# EAGLE board Mk4 Final a Panel score 2x5 (EAGLE 9.0.1), part 22 of 29
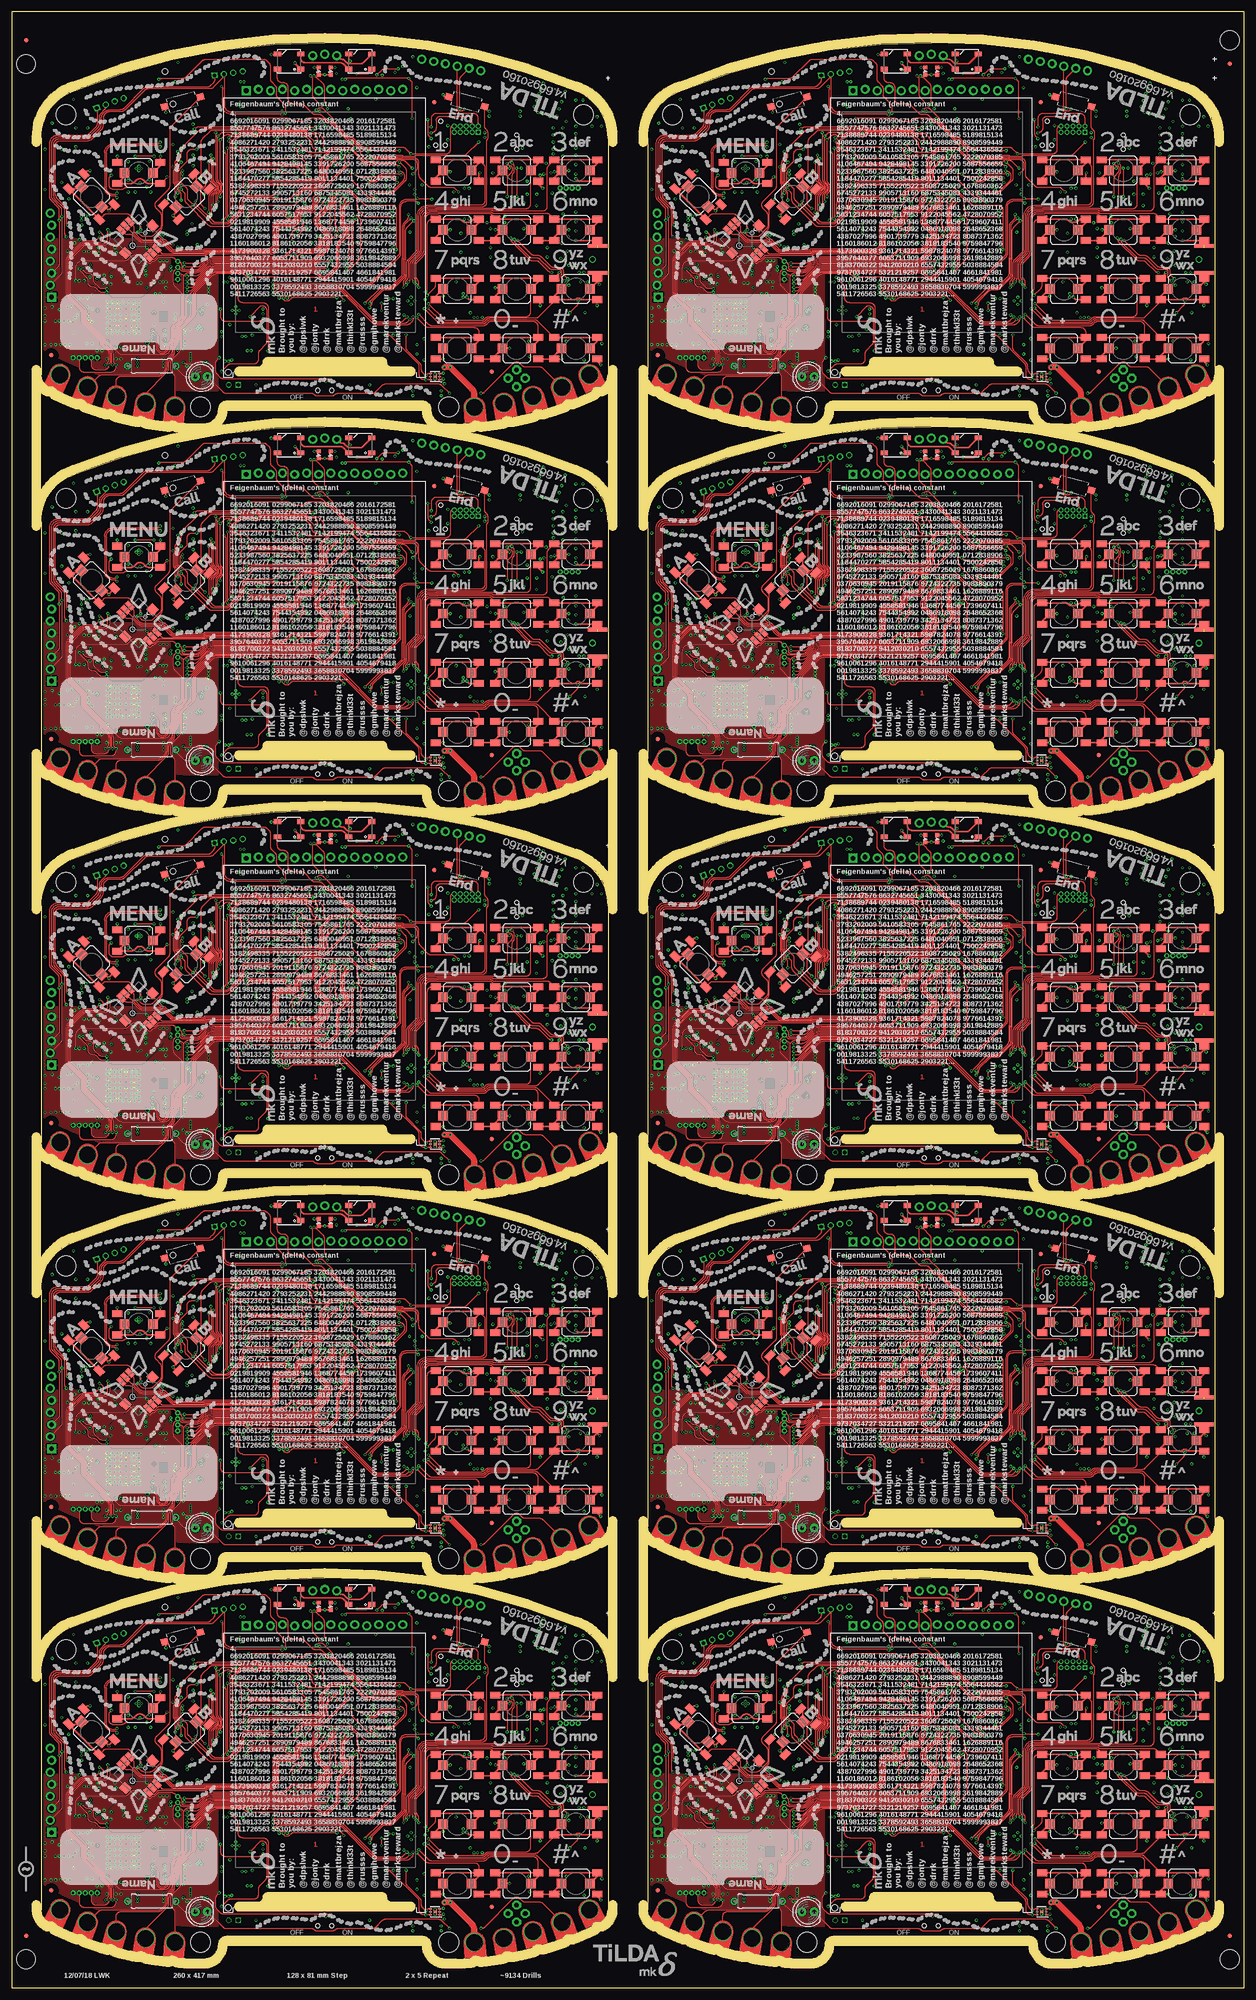
[diagram p0: board, top side]
## Tracks (layer width: path | path; a pad name or v marks a point on that pad's centre or on a via) (continued)
SDRAM_BA19  (via drill 0.3) (continued)
  Top 0.15: v172,378 172,378.38 arc-45 172.15,378.74 172.29,378.88 arc90 172.29,380.87 arc-45 172,381.57 v172,390 172.73,390.73 arc-45 173.44,391.02 173.76,391.02 arc-45 174.11,390.88 174.17,390.82 arc45 174.53,390.68 175.38,390.68 arc45 175.74,390.82 175.92,391.01 arc-45 176.63,391.3 178.96,391.3 179.15,391.11 arc90 179.85,391.11 180.02,391.27 189.69,391.27 arc-45 190.05,391.13 190.25,390.93 arc45 190.45,390.85 arc-45 190.8,390.7 v192,389.5
  Bottom 0.15: IC163.50 171.9,389.9 v172,390 | IC163.20 175.91,377.9 arc-45 175.81,377.94 arc45 175.67,378 v172,378 | v192,389.5 arc45 192.2,389.98 IC164.76
SDRAM_CKE  (via drill 0.3)
  Top 0.15: v35.75,55.5 36.21,55.04 arc-45 36.5,54.34 36.5,53.41 arc45 36.79,52.71 41.48,48.02 arc45 42.19,47.73 45.29,47.73 arc45 45.99,48.02 48.68,50.71 arc45 48.98,51.41 48.98,52.5 arc-90 49.98,53.5 58.29,53.5 arc45 59,53.79 60.87,55.66 arc-45 61.93,56.1 64.25,56.1 arc90 66.5,58.35 66.5,59.49 arc-45 66.79,60.19 68.31,61.71 arc-45 69.01,62 v69.5,62
  Bottom 0.15: IC1.104 72.73,62.4 arc45 72.59,62.34 72.53,62.28 arc-45 72.39,62.23 69.75,62.23 69.53,62 v69.5,62 | v35.75,55.5 IC2.37
SDRAM_CKE1  (via drill 0.3)
  Top 0.15: v163.75,55.5 164.21,55.04 arc-45 164.5,54.34 164.5,53.41 arc45 164.79,52.71 169.48,48.02 arc45 170.19,47.73 173.29,47.73 arc45 173.99,48.02 176.68,50.71 arc45 176.97,51.41 176.97,52.5 arc-90 177.97,53.5 186.29,53.5 arc45 187,53.79 188.87,55.66 arc-45 189.93,56.1 192.25,56.1 arc90 194.5,58.35 194.5,59.49 arc-45 194.79,60.19 196.31,61.71 arc-45 197.01,62 v197.5,62
  Bottom 0.15: IC20.104 200.73,62.4 arc45 200.59,62.34 200.53,62.28 arc-45 200.39,62.23 197.75,62.23 197.53,62 v197.5,62 | v163.75,55.5 IC19.37
SDRAM_CKE2  (via drill 0.3)
  Top 0.15: v35.75,136.5 36.21,136.04 arc-45 36.5,135.34 36.5,134.41 arc45 36.79,133.71 41.48,129.02 arc45 42.19,128.72 45.29,128.72 arc45 45.99,129.02 48.68,131.71 arc45 48.98,132.41 48.98,133.5 arc-90 49.98,134.5 58.29,134.5 arc45 59,134.79 60.87,136.66 arc-45 61.93,137.1 64.25,137.1 arc90 66.5,139.35 66.5,140.49 arc-45 66.79,141.19 68.31,142.71 arc-45 69.01,143 v69.5,143
  Bottom 0.15: IC38.104 72.73,143.4 arc45 72.59,143.34 72.53,143.28 arc-45 72.39,143.22 69.75,143.22 69.53,143 v69.5,143 | v35.75,136.5 IC37.37
SDRAM_CKE3  (via drill 0.3)
  Top 0.15: v163.75,136.5 164.21,136.04 arc-45 164.5,135.34 164.5,134.41 arc45 164.79,133.71 169.48,129.02 arc45 170.19,128.72 173.29,128.72 arc45 173.99,129.02 176.68,131.71 arc45 176.97,132.41 176.97,133.5 arc-90 177.97,134.5 186.29,134.5 arc45 187,134.79 188.87,136.66 arc-45 189.93,137.1 192.25,137.1 arc90 194.5,139.35 194.5,140.49 arc-45 194.79,141.19 196.31,142.71 arc-45 197.01,143 v197.5,143
  Bottom 0.15: IC56.104 200.73,143.4 arc45 200.59,143.34 200.53,143.28 arc-45 200.39,143.22 197.75,143.22 197.53,143 v197.5,143 | v163.75,136.5 IC55.37
SDRAM_CKE4  (via drill 0.3)
  Top 0.15: v35.75,217.5 36.21,217.04 arc-45 36.5,216.34 36.5,215.41 arc45 36.79,214.71 41.48,210.02 arc45 42.19,209.72 45.29,209.72 arc45 45.99,210.02 48.68,212.71 arc45 48.98,213.41 48.98,214.5 arc-90 49.98,215.5 58.29,215.5 arc45 59,215.79 60.87,217.66 arc-45 61.93,218.1 64.25,218.1 arc90 66.5,220.35 66.5,221.49 arc-45 66.79,222.19 68.31,223.71 arc-45 69.01,224 v69.5,224
  Bottom 0.15: IC74.104 72.73,224.4 arc45 72.59,224.34 72.53,224.28 arc-45 72.39,224.22 69.75,224.22 69.53,224 v69.5,224 | v35.75,217.5 IC73.37
SDRAM_CKE5  (via drill 0.3)
  Top 0.15: v163.75,217.5 164.21,217.04 arc-45 164.5,216.34 164.5,215.41 arc45 164.79,214.71 169.48,210.02 arc45 170.19,209.72 173.29,209.72 arc45 173.99,210.02 176.68,212.71 arc45 176.97,213.41 176.97,214.5 arc-90 177.97,215.5 186.29,215.5 arc45 187,215.79 188.87,217.66 arc-45 189.93,218.1 192.25,218.1 arc90 194.5,220.35 194.5,221.49 arc-45 194.79,222.19 196.31,223.71 arc-45 197.01,224 v197.5,224
  Bottom 0.15: IC92.104 200.73,224.4 arc45 200.59,224.34 200.53,224.28 arc-45 200.39,224.22 197.75,224.22 197.53,224 v197.5,224 | v163.75,217.5 IC91.37
SDRAM_CKE6  (via drill 0.3)
  Top 0.15: v35.75,298.5 36.21,298.04 arc-45 36.5,297.34 36.5,296.41 arc45 36.79,295.71 41.48,291.02 arc45 42.19,290.73 45.29,290.73 arc45 45.99,291.02 48.68,293.71 arc45 48.98,294.41 48.98,295.5 arc-90 49.98,296.5 58.29,296.5 arc45 59,296.79 60.87,298.66 arc-45 61.93,299.1 64.25,299.1 arc90 66.5,301.35 66.5,302.49 arc-45 66.79,303.19 68.31,304.71 arc-45 69.01,305 v69.5,305
  Bottom 0.15: IC110.104 72.73,305.4 arc45 72.59,305.34 72.53,305.28 arc-45 72.39,305.23 69.75,305.23 69.53,305 v69.5,305 | v35.75,298.5 IC109.37
SDRAM_CKE7  (via drill 0.3)
  Top 0.15: v163.75,298.5 164.21,298.04 arc-45 164.5,297.34 164.5,296.41 arc45 164.79,295.71 169.48,291.02 arc45 170.19,290.73 173.29,290.73 arc45 173.99,291.02 176.68,293.71 arc45 176.97,294.41 176.97,295.5 arc-90 177.97,296.5 186.29,296.5 arc45 187,296.79 188.87,298.66 arc-45 189.93,299.1 192.25,299.1 arc90 194.5,301.35 194.5,302.49 arc-45 194.79,303.19 196.31,304.71 arc-45 197.01,305 v197.5,305
  Bottom 0.15: IC128.104 200.73,305.4 arc45 200.59,305.34 200.53,305.28 arc-45 200.39,305.23 197.75,305.23 197.53,305 v197.5,305 | v163.75,298.5 IC127.37
SDRAM_CKE8  (via drill 0.3)
  Top 0.15: v35.75,379.5 36.21,379.04 arc-45 36.5,378.34 36.5,377.41 arc45 36.79,376.71 41.48,372.02 arc45 42.19,371.73 45.29,371.73 arc45 45.99,372.02 48.68,374.71 arc45 48.98,375.41 48.98,376.5 arc-90 49.98,377.5 58.29,377.5 arc45 59,377.79 60.87,379.66 arc-45 61.93,380.1 64.25,380.1 arc90 66.5,382.35 66.5,383.49 arc-45 66.79,384.19 68.31,385.71 arc-45 69.01,386 v69.5,386
  Bottom 0.15: IC146.104 72.73,386.4 arc45 72.59,386.34 72.53,386.28 arc-45 72.39,386.23 69.75,386.23 69.53,386 v69.5,386 | v35.75,379.5 IC145.37
SDRAM_CKE9  (via drill 0.3)
  Top 0.15: v163.75,379.5 164.21,379.04 arc-45 164.5,378.34 164.5,377.41 arc45 164.79,376.71 169.48,372.02 arc45 170.19,371.73 173.29,371.73 arc45 173.99,372.02 176.68,374.71 arc45 176.97,375.41 176.97,376.5 arc-90 177.97,377.5 186.29,377.5 arc45 187,377.79 188.87,379.66 arc-45 189.93,380.1 192.25,380.1 arc90 194.5,382.35 194.5,383.49 arc-45 194.79,384.19 196.31,385.71 arc-45 197.01,386 v197.5,386
  Bottom 0.15: IC164.104 200.73,386.4 arc45 200.59,386.34 200.53,386.28 arc-45 200.39,386.23 197.75,386.23 197.53,386 v197.5,386 | v163.75,379.5 IC163.37
SDRAM_CLK  (via drill 0.3)
  Top 0.15: v39,64 38,64 arc90 37,63 37,61.5 35.52,60.02 arc45 35.48,59.91 arc-45 35.33,59.55 35.25,59.47 arc45 35.1,59.12 35.1,57.28 arc45 35.17,57.1 35.4,56.87 arc-45 35.48,56.7 35.48,56.52 v35.7,56.3 | v47.23,64.5 v56.25,64.5
  Bottom 0.15: v47.23,64.5 46.17,64.5 arc-45 45.86,64.63 arc45 45.51,64.78 40.19,64.78 arc45 39.48,64.48 v39,64 | IC1.62 56.35,64.4 v56.25,64.5 | IC2.38 v35.7,56.3
SDRAM_CLK1  (via drill 0.3)
  Top 0.15: v167,64 166,64 arc90 165,63 165,61.5 163.52,60.02 arc45 163.47,59.91 arc-45 163.33,59.55 163.25,59.47 arc45 163.1,59.12 163.1,57.28 arc45 163.17,57.1 163.4,56.87 arc-45 163.47,56.7 163.47,56.52 v163.7,56.3 | v175.23,64.5 v184.25,64.5
  Bottom 0.15: v175.23,64.5 174.17,64.5 arc-45 173.86,64.63 arc45 173.51,64.78 168.19,64.78 arc45 167.48,64.48 v167,64 | IC20.62 184.35,64.4 v184.25,64.5 | IC19.38 v163.7,56.3
SDRAM_CLK2  (via drill 0.3)
  Top 0.15: v39,145 38,145 arc90 37,144 37,142.5 35.52,141.02 arc45 35.48,140.91 arc-45 35.33,140.55 35.25,140.47 arc45 35.1,140.12 35.1,138.28 arc45 35.17,138.1 35.4,137.87 arc-45 35.48,137.7 35.48,137.53 v35.7,137.3 | v47.23,145.5 v56.25,145.5
  Bottom 0.15: v47.23,145.5 46.17,145.5 arc-45 45.86,145.63 arc45 45.51,145.78 40.19,145.78 arc45 39.48,145.48 v39,145 | IC38.62 56.35,145.4 v56.25,145.5 | IC37.38 v35.7,137.3
SDRAM_CLK3  (via drill 0.3)
  Top 0.15: v167,145 166,145 arc90 165,144 165,142.5 163.52,141.02 arc45 163.47,140.91 arc-45 163.33,140.55 163.25,140.47 arc45 163.1,140.12 163.1,138.28 arc45 163.17,138.1 163.4,137.87 arc-45 163.47,137.7 163.47,137.53 v163.7,137.3 | v175.23,145.5 v184.25,145.5
  Bottom 0.15: v175.23,145.5 174.17,145.5 arc-45 173.86,145.63 arc45 173.51,145.78 168.19,145.78 arc45 167.48,145.48 v167,145 | IC56.62 184.35,145.4 v184.25,145.5 | IC55.38 v163.7,137.3
SDRAM_CLK4  (via drill 0.3)
  Top 0.15: v39,226 38,226 arc90 37,225 37,223.5 35.52,222.02 arc45 35.48,221.91 arc-45 35.33,221.55 35.25,221.47 arc45 35.1,221.12 35.1,219.28 arc45 35.17,219.1 35.4,218.87 arc-45 35.48,218.7 35.48,218.53 v35.7,218.3 | v47.23,226.5 v56.25,226.5
  Bottom 0.15: v47.23,226.5 46.17,226.5 arc-45 45.86,226.63 arc45 45.51,226.78 40.19,226.78 arc45 39.48,226.48 v39,226 | IC74.62 56.35,226.4 v56.25,226.5 | IC73.38 v35.7,218.3
SDRAM_CLK5  (via drill 0.3)
  Top 0.15: v167,226 166,226 arc90 165,225 165,223.5 163.52,222.02 arc45 163.47,221.91 arc-45 163.33,221.55 163.25,221.47 arc45 163.1,221.12 163.1,219.28 arc45 163.17,219.1 163.4,218.87 arc-45 163.47,218.7 163.47,218.53 v163.7,218.3 | v175.23,226.5 v184.25,226.5
  Bottom 0.15: v175.23,226.5 174.17,226.5 arc-45 173.86,226.63 arc45 173.51,226.78 168.19,226.78 arc45 167.48,226.48 v167,226 | IC92.62 184.35,226.4 v184.25,226.5 | IC91.38 v163.7,218.3
SDRAM_CLK6  (via drill 0.3)
  Top 0.15: v39,307 38,307 arc90 37,306 37,304.5 35.52,303.02 arc45 35.48,302.91 arc-45 35.33,302.55 35.25,302.47 arc45 35.1,302.12 35.1,300.28 arc45 35.17,300.1 35.4,299.87 arc-45 35.48,299.7 35.48,299.52 v35.7,299.3 | v47.23,307.5 v56.25,307.5
  Bottom 0.15: v47.23,307.5 46.17,307.5 arc-45 45.86,307.63 arc45 45.51,307.77 40.19,307.77 arc45 39.48,307.48 v39,307 | IC110.62 56.35,307.4 v56.25,307.5 | IC109.38 v35.7,299.3
SDRAM_CLK7  (via drill 0.3)
  Top 0.15: v167,307 166,307 arc90 165,306 165,304.5 163.52,303.02 arc45 163.47,302.91 arc-45 163.33,302.55 163.25,302.47 arc45 163.1,302.12 163.1,300.28 arc45 163.17,300.1 163.4,299.87 arc-45 163.47,299.7 163.47,299.52 v163.7,299.3 | v175.23,307.5 v184.25,307.5
  Bottom 0.15: v175.23,307.5 174.17,307.5 arc-45 173.86,307.63 arc45 173.51,307.77 168.19,307.77 arc45 167.48,307.48 v167,307 | IC128.62 184.35,307.4 v184.25,307.5 | IC127.38 v163.7,299.3
SDRAM_CLK8  (via drill 0.3)
  Top 0.15: v39,388 38,388 arc90 37,387 37,385.5 35.52,384.02 arc45 35.48,383.91 arc-45 35.33,383.55 35.25,383.47 arc45 35.1,383.12 35.1,381.28 arc45 35.17,381.1 35.4,380.87 arc-45 35.48,380.7 35.48,380.52 v35.7,380.3 | v47.23,388.5 v56.25,388.5
  Bottom 0.15: v47.23,388.5 46.17,388.5 arc-45 45.86,388.63 arc45 45.51,388.77 40.19,388.77 arc45 39.48,388.48 v39,388 | IC146.62 56.35,388.4 v56.25,388.5 | IC145.38 v35.7,380.3
SDRAM_CLK9  (via drill 0.3)
  Top 0.15: v167,388 166,388 arc90 165,387 165,385.5 163.52,384.02 arc45 163.47,383.91 arc-45 163.33,383.55 163.25,383.47 arc45 163.1,383.12 163.1,381.28 arc45 163.17,381.1 163.4,380.87 arc-45 163.47,380.7 163.47,380.52 v163.7,380.3 | v175.23,388.5 v184.25,388.5
  Bottom 0.15: v175.23,388.5 174.17,388.5 arc-45 173.86,388.63 arc45 173.51,388.77 168.19,388.77 arc45 167.48,388.48 v167,388 | IC164.62 184.35,388.4 v184.25,388.5 | IC163.38 v163.7,380.3
SDRAM_D1  (via drill 0.3)
  Top 0.15: v192,68.5 190.94,68.5 arc-45 190.88,68.47 180.54,68.47 180.38,68.63 arc90 178.62,68.63 178.61,68.62 167.29,68.62 arc45 166.58,68.33 v166.5,68.25
  Bottom 0.15: IC19.53 166.45,68.3 v166.5,68.25 | IC20.78 193,67.53 arc90 192.8,67.72 192.68,67.72 arc-90 192.47,67.92 192.47,67.94 arc45 192.42,68.08 v192,68.5
SDRAM_D2  (via drill 0.3)
  Top 0.15: v64,149.5 62.94,149.5 arc-45 62.88,149.47 52.54,149.47 52.38,149.63 arc90 50.62,149.63 50.61,149.62 39.29,149.62 arc45 38.58,149.33 v38.5,149.25
  Bottom 0.15: IC37.53 38.45,149.3 v38.5,149.25 | IC38.78 65,148.53 arc90 64.8,148.72 64.67,148.72 arc-90 64.47,148.93 64.47,148.94 arc45 64.42,149.08 v64,149.5
SDRAM_D3  (via drill 0.3)
  Top 0.15: v192,149.5 190.94,149.5 arc-45 190.88,149.47 180.54,149.47 180.38,149.63 arc90 178.62,149.63 178.61,149.62 167.29,149.62 arc45 166.58,149.33 v166.5,149.25
  Bottom 0.15: IC55.53 166.45,149.3 v166.5,149.25 | IC56.78 193,148.53 arc90 192.8,148.72 192.68,148.72 arc-90 192.47,148.93 192.47,148.94 arc45 192.42,149.08 v192,149.5
SDRAM_D4  (via drill 0.3)
  Top 0.15: v64,230.5 62.94,230.5 arc-45 62.88,230.47 52.54,230.47 52.38,230.63 arc90 50.62,230.63 50.61,230.62 39.29,230.62 arc45 38.58,230.33 v38.5,230.25
  Bottom 0.15: IC73.53 38.45,230.3 v38.5,230.25 | IC74.78 65,229.53 arc90 64.8,229.72 64.67,229.72 arc-90 64.47,229.93 64.47,229.94 arc45 64.42,230.08 v64,230.5
SDRAM_D5  (via drill 0.3)
  Top 0.15: v192,230.5 190.94,230.5 arc-45 190.88,230.47 180.54,230.47 180.38,230.63 arc90 178.62,230.63 178.61,230.62 167.29,230.62 arc45 166.58,230.33 v166.5,230.25
  Bottom 0.15: IC91.53 166.45,230.3 v166.5,230.25 | IC92.78 193,229.53 arc90 192.8,229.72 192.68,229.72 arc-90 192.47,229.93 192.47,229.94 arc45 192.42,230.08 v192,230.5
SDRAM_D6  (via drill 0.3)
  Top 0.15: v64,311.5 62.94,311.5 arc-45 62.88,311.48 52.54,311.48 52.38,311.63 arc90 50.62,311.63 50.61,311.62 39.29,311.62 arc45 38.58,311.33 v38.5,311.25
  Bottom 0.15: IC109.53 38.45,311.3 v38.5,311.25 | IC110.78 65,310.52 arc90 64.8,310.73 64.67,310.73 arc-90 64.47,310.93 64.47,310.94 arc45 64.42,311.08 v64,311.5
SDRAM_D7  (via drill 0.3)
  Top 0.15: v192,311.5 190.94,311.5 arc-45 190.88,311.48 180.54,311.48 180.38,311.63 arc90 178.62,311.63 178.61,311.62 167.29,311.62 arc45 166.58,311.33 v166.5,311.25
  Bottom 0.15: IC127.53 166.45,311.3 v166.5,311.25 | IC128.78 193,310.52 arc90 192.8,310.73 192.68,310.73 arc-90 192.47,310.93 192.47,310.94 arc45 192.42,311.08 v192,311.5
SDRAM_D8  (via drill 0.3)
  Top 0.15: v64,392.5 62.94,392.5 arc-45 62.88,392.48 52.54,392.48 52.38,392.63 arc90 50.62,392.63 50.61,392.62 39.29,392.62 arc45 38.58,392.33 v38.5,392.25
  Bottom 0.15: IC145.53 38.45,392.3 v38.5,392.25 | IC146.78 65,391.52 arc90 64.8,391.73 64.67,391.73 arc-90 64.47,391.93 64.47,391.94 arc45 64.42,392.08 v64,392.5
SDRAM_D9  (via drill 0.3)
  Top 0.15: v192,392.5 190.94,392.5 arc-45 190.88,392.48 180.54,392.48 180.38,392.63 arc90 178.62,392.63 178.61,392.62 167.29,392.62 arc45 166.58,392.33 v166.5,392.25
  Bottom 0.15: IC163.53 166.45,392.3 v166.5,392.25 | IC164.78 193,391.52 arc90 192.8,391.73 192.68,391.73 arc-90 192.47,391.93 192.47,391.94 arc45 192.42,392.08 v192,392.5
SDRAM_D15  (via drill 0.3)
  Top 0.15: v64,68.5 62.94,68.5 arc-45 62.88,68.47 52.54,68.47 52.38,68.63 arc90 50.62,68.63 50.61,68.62 39.29,68.62 arc45 38.58,68.33 v38.5,68.25
  Bottom 0.15: IC2.53 38.45,68.3 v38.5,68.25 | IC1.78 65,67.53 arc90 64.8,67.72 64.67,67.72 arc-90 64.47,67.92 64.47,67.94 arc45 64.42,68.08 v64,68.5
SDRAM_DQMH  (via drill 0.3)
  Top 0.15: v39.75,57.75 arc45 40,58.35 40,65.59 arc-45 40.29,66.29 41.73,67.73 arc-45 42.44,68.03 50.86,68.03 50.97,68.14 arc-90 52.03,68.14 52.29,67.88 61.94,67.88 arc-45 62.29,67.73 62.43,67.59 arc45 62.78,67.44 64.14,67.44 arc-45 64.85,67.15 65.46,66.54 arc-45 65.75,65.84 v65.75,64
  Bottom 0.15: IC2.39 37.19,57.1 arc45 37.89,57.39 37.96,57.46 arc-45 38.66,57.75 v39.75,57.75 | IC1.82 66.6,65.26 arc-45 66.31,64.56 v65.75,64
SDRAM_DQMH1  (via drill 0.3)
  Top 0.15: v167.75,57.75 arc45 168,58.35 168,65.59 arc-45 168.29,66.29 169.73,67.73 arc-45 170.44,68.03 178.86,68.03 178.97,68.14 arc-90 180.03,68.14 180.29,67.88 189.94,67.88 arc-45 190.29,67.73 190.43,67.59 arc45 190.78,67.44 192.14,67.44 arc-45 192.85,67.15 193.46,66.54 arc-45 193.75,65.84 v193.75,64
  Bottom 0.15: IC19.39 165.19,57.1 arc45 165.89,57.39 165.96,57.46 arc-45 166.66,57.75 v167.75,57.75 | IC20.82 194.6,65.26 arc-45 194.31,64.56 v193.75,64
SDRAM_DQMH2  (via drill 0.3)
  Top 0.15: v39.75,138.75 arc45 40,139.35 40,146.59 arc-45 40.29,147.29 41.73,148.73 arc-45 42.44,149.03 50.86,149.03 50.97,149.14 arc-90 52.03,149.14 52.29,148.88 61.94,148.88 arc-45 62.29,148.73 62.43,148.59 arc45 62.78,148.44 64.14,148.44 arc-45 64.85,148.15 65.46,147.54 arc-45 65.75,146.84 v65.75,145
  Bottom 0.15: IC37.39 37.19,138.1 arc45 37.89,138.39 37.96,138.46 arc-45 38.66,138.75 v39.75,138.75 | IC38.82 66.6,146.26 arc-45 66.31,145.56 v65.75,145
SDRAM_DQMH3  (via drill 0.3)
  Top 0.15: v167.75,138.75 arc45 168,139.35 168,146.59 arc-45 168.29,147.29 169.73,148.73 arc-45 170.44,149.03 178.86,149.03 178.97,149.14 arc-90 180.03,149.14 180.29,148.88 189.94,148.88 arc-45 190.29,148.73 190.43,148.59 arc45 190.78,148.44 192.14,148.44 arc-45 192.85,148.15 193.46,147.54 arc-45 193.75,146.84 v193.75,145
  Bottom 0.15: IC55.39 165.19,138.1 arc45 165.89,138.39 165.96,138.46 arc-45 166.66,138.75 v167.75,138.75 | IC56.82 194.6,146.26 arc-45 194.31,145.56 v193.75,145
SDRAM_DQMH4  (via drill 0.3)
  Top 0.15: v39.75,219.75 arc45 40,220.35 40,227.59 arc-45 40.29,228.29 41.73,229.73 arc-45 42.44,230.03 50.86,230.03 50.97,230.14 arc-90 52.03,230.14 52.29,229.88 61.94,229.88 arc-45 62.29,229.73 62.43,229.59 arc45 62.78,229.44 64.14,229.44 arc-45 64.85,229.15 65.46,228.54 arc-45 65.75,227.84 v65.75,226
  Bottom 0.15: IC73.39 37.19,219.1 arc45 37.89,219.39 37.96,219.46 arc-45 38.66,219.75 v39.75,219.75 | IC74.82 66.6,227.26 arc-45 66.31,226.56 v65.75,226
SDRAM_DQMH5  (via drill 0.3)
  Top 0.15: v167.75,219.75 arc45 168,220.35 168,227.59 arc-45 168.29,228.29 169.73,229.73 arc-45 170.44,230.03 178.86,230.03 178.97,230.14 arc-90 180.03,230.14 180.29,229.88 189.94,229.88 arc-45 190.29,229.73 190.43,229.59 arc45 190.78,229.44 192.14,229.44 arc-45 192.85,229.15 193.46,228.54 arc-45 193.75,227.84 v193.75,226
  Bottom 0.15: IC91.39 165.19,219.1 arc45 165.89,219.39 165.96,219.46 arc-45 166.66,219.75 v167.75,219.75 | IC92.82 194.6,227.26 arc-45 194.31,226.56 v193.75,226
SDRAM_DQMH6  (via drill 0.3)
  Top 0.15: v39.75,300.75 arc45 40,301.35 40,308.59 arc-45 40.29,309.29 41.73,310.73 arc-45 42.44,311.02 50.86,311.02 50.97,311.14 arc-90 52.03,311.14 52.29,310.88 61.94,310.88 arc-45 62.29,310.73 62.43,310.59 arc45 62.78,310.44 64.14,310.44 arc-45 64.85,310.15 65.46,309.54 arc-45 65.75,308.84 v65.75,307
  Bottom 0.15: IC109.39 37.19,300.1 arc45 37.89,300.39 37.96,300.46 arc-45 38.66,300.75 v39.75,300.75 | IC110.82 66.6,308.26 arc-45 66.31,307.56 v65.75,307
SDRAM_DQMH7  (via drill 0.3)
  Top 0.15: v167.75,300.75 arc45 168,301.35 168,308.59 arc-45 168.29,309.29 169.73,310.73 arc-45 170.44,311.02 178.86,311.02 178.97,311.14 arc-90 180.03,311.14 180.29,310.88 189.94,310.88 arc-45 190.29,310.73 190.43,310.59 arc45 190.78,310.44 192.14,310.44 arc-45 192.85,310.15 193.46,309.54 arc-45 193.75,308.84 v193.75,307
  Bottom 0.15: IC127.39 165.19,300.1 arc45 165.89,300.39 165.96,300.46 arc-45 166.66,300.75 v167.75,300.75 | IC128.82 194.6,308.26 arc-45 194.31,307.56 v193.75,307
SDRAM_DQMH8  (via drill 0.3)
  Top 0.15: v39.75,381.75 arc45 40,382.35 40,389.59 arc-45 40.29,390.29 41.73,391.73 arc-45 42.44,392.02 50.86,392.02 50.97,392.14 arc-90 52.03,392.14 52.29,391.88 61.94,391.88 arc-45 62.29,391.73 62.43,391.59 arc45 62.78,391.44 64.14,391.44 arc-45 64.85,391.15 65.46,390.54 arc-45 65.75,389.84 v65.75,388
  Bottom 0.15: IC145.39 37.19,381.1 arc45 37.89,381.39 37.96,381.46 arc-45 38.66,381.75 v39.75,381.75 | IC146.82 66.6,389.26 arc-45 66.31,388.56 v65.75,388
SDRAM_DQMH9  (via drill 0.3)
  Top 0.15: v167.75,381.75 arc45 168,382.35 168,389.59 arc-45 168.29,390.29 169.73,391.73 arc-45 170.44,392.02 178.86,392.02 178.97,392.14 arc-90 180.03,392.14 180.29,391.88 189.94,391.88 arc-45 190.29,391.73 190.43,391.59 arc45 190.78,391.44 192.14,391.44 arc-45 192.85,391.15 193.46,390.54 arc-45 193.75,389.84 v193.75,388
  Bottom 0.15: IC163.39 165.19,381.1 arc45 165.89,381.39 165.96,381.46 arc-45 166.66,381.75 v167.75,381.75 | IC164.82 194.6,389.26 arc-45 194.31,388.56 v193.75,388
SDRAM_DQML  (via drill 0.3)
  Top 0.15: v47.25,57.75 47.5,57.75 arc90 48.5,58.75 48.5,62.7 arc90 47.5,63.7 arc-45 46.99,63.91 46.92,63.98 arc-45 46.7,64.51 46.7,65.59 arc-45 46.92,66.12 arc-45 47.54,66.38 arc45 47.84,66.5 48.05,66.71 arc-45 48.75,67 50.83,67 50.97,66.86 arc90 52.03,66.86 52.14,66.97 61.57,66.97 arc-45 61.92,66.83 62.96,65.79 arc-45 63.25,65.09 63.25,65 arc90 64.25,64 v65,64
  Bottom 0.15: IC2.15 47.61,57.9 arc45 v47.25,57.75 | IC1.81 66.2,65.61 arc-45 65.91,64.91 v65,64
SDRAM_DQML1  (via drill 0.3)
  Top 0.15: v175.25,57.75 175.5,57.75 arc90 176.5,58.75 176.5,62.7 arc90 175.5,63.7 arc-45 174.99,63.91 174.92,63.98 arc-45 174.7,64.51 174.7,65.59 arc-45 174.92,66.12 arc-45 175.54,66.38 arc45 175.84,66.5 176.05,66.71 arc-45 176.75,67 178.83,67 178.97,66.86 arc90 180.03,66.86 180.14,66.97 189.57,66.97 arc-45 189.92,66.83 190.96,65.79 arc-45 191.25,65.09 191.25,65 arc90 192.25,64 v193,64
  Bottom 0.15: IC19.15 175.61,57.9 arc45 v175.25,57.75 | IC20.81 194.2,65.61 arc-45 193.91,64.91 v193,64
SDRAM_DQML2  (via drill 0.3)
  Top 0.15: v47.25,138.75 47.5,138.75 arc90 48.5,139.75 48.5,143.7 arc90 47.5,144.7 arc-45 46.99,144.91 46.92,144.98 arc-45 46.7,145.51 46.7,146.59 arc-45 46.92,147.12 arc-45 47.54,147.38 arc45 47.84,147.5 48.05,147.71 arc-45 48.75,148 50.83,148 50.97,147.86 arc90 52.03,147.86 52.14,147.97 61.57,147.97 arc-45 61.92,147.83 62.96,146.79 arc-45 63.25,146.09 63.25,146 arc90 64.25,145 v65,145
  Bottom 0.15: IC37.15 47.61,138.9 arc45 v47.25,138.75 | IC38.81 66.2,146.61 arc-45 65.91,145.91 v65,145
SDRAM_DQML3  (via drill 0.3)
  Top 0.15: v175.25,138.75 175.5,138.75 arc90 176.5,139.75 176.5,143.7 arc90 175.5,144.7 arc-45 174.99,144.91 174.92,144.98 arc-45 174.7,145.51 174.7,146.59 arc-45 174.92,147.12 arc-45 175.54,147.38 arc45 175.84,147.5 176.05,147.71 arc-45 176.75,148 178.83,148 178.97,147.86 arc90 180.03,147.86 180.14,147.97 189.57,147.97 arc-45 189.92,147.83 190.96,146.79 arc-45 191.25,146.09 191.25,146 arc90 192.25,145 v193,145
  Bottom 0.15: IC55.15 175.61,138.9 arc45 v175.25,138.75 | IC56.81 194.2,146.61 arc-45 193.91,145.91 v193,145
SDRAM_DQML4  (via drill 0.3)
  Top 0.15: v47.25,219.75 47.5,219.75 arc90 48.5,220.75 48.5,224.7 arc90 47.5,225.7 arc-45 46.99,225.91 46.92,225.98 arc-45 46.7,226.51 46.7,227.59 arc-45 46.92,228.12 arc-45 47.54,228.38 arc45 47.84,228.5 48.05,228.71 arc-45 48.75,229 50.83,229 50.97,228.86 arc90 52.03,228.86 52.14,228.97 61.57,228.97 arc-45 61.92,228.83 62.96,227.79 arc-45 63.25,227.09 63.25,227 arc90 64.25,226 v65,226
  Bottom 0.15: IC73.15 47.61,219.9 arc45 v47.25,219.75 | IC74.81 66.2,227.61 arc-45 65.91,226.91 v65,226
SDRAM_DQML5  (via drill 0.3)
  Top 0.15: v175.25,219.75 175.5,219.75 arc90 176.5,220.75 176.5,224.7 arc90 175.5,225.7 arc-45 174.99,225.91 174.92,225.98 arc-45 174.7,226.51 174.7,227.59 arc-45 174.92,228.12 arc-45 175.54,228.38 arc45 175.84,228.5 176.05,228.71 arc-45 176.75,229 178.83,229 178.97,228.86 arc90 180.03,228.86 180.14,228.97 189.57,228.97 arc-45 189.92,228.83 190.96,227.79 arc-45 191.25,227.09 191.25,227 arc90 192.25,226 v193,226
  Bottom 0.15: IC91.15 175.61,219.9 arc45 v175.25,219.75 | IC92.81 194.2,227.61 arc-45 193.91,226.91 v193,226
SDRAM_DQML6  (via drill 0.3)
  Top 0.15: v47.25,300.75 47.5,300.75 arc90 48.5,301.75 48.5,305.7 arc90 47.5,306.7 arc-45 46.99,306.91 46.92,306.98 arc-45 46.7,307.51 46.7,308.59 arc-45 46.92,309.12 arc-45 47.54,309.38 arc45 47.84,309.5 48.05,309.71 arc-45 48.75,310 50.83,310 50.97,309.86 arc90 52.03,309.86 52.14,309.98 61.57,309.98 arc-45 61.92,309.83 62.96,308.79 arc-45 63.25,308.09 63.25,308 arc90 64.25,307 v65,307
  Bottom 0.15: IC109.15 47.61,300.9 arc45 v47.25,300.75 | IC110.81 66.2,308.61 arc-45 65.91,307.91 v65,307
SDRAM_DQML7  (via drill 0.3)
  Top 0.15: v175.25,300.75 175.5,300.75 arc90 176.5,301.75 176.5,305.7 arc90 175.5,306.7 arc-45 174.99,306.91 174.92,306.98 arc-45 174.7,307.51 174.7,308.59 arc-45 174.92,309.12 arc-45 175.54,309.38 arc45 175.84,309.5 176.05,309.71 arc-45 176.75,310 178.83,310 178.97,309.86 arc90 180.03,309.86 180.14,309.98 189.57,309.98 arc-45 189.92,309.83 190.96,308.79 arc-45 191.25,308.09 191.25,308 arc90 192.25,307 v193,307
  Bottom 0.15: IC127.15 175.61,300.9 arc45 v175.25,300.75 | IC128.81 194.2,308.61 arc-45 193.91,307.91 v193,307
SDRAM_DQML8  (via drill 0.3)
  Top 0.15: v47.25,381.75 47.5,381.75 arc90 48.5,382.75 48.5,386.7 arc90 47.5,387.7 arc-45 46.99,387.91 46.92,387.98 arc-45 46.7,388.51 46.7,389.59 arc-45 46.92,390.12 arc-45 47.54,390.38 arc45 47.84,390.5 48.05,390.71 arc-45 48.75,391 50.83,391 50.97,390.86 arc90 52.03,390.86 52.14,390.98 61.57,390.98 arc-45 61.92,390.83 62.96,389.79 arc-45 63.25,389.09 63.25,389 arc90 64.25,388 v65,388
  Bottom 0.15: IC145.15 47.61,381.9 arc45 v47.25,381.75 | IC146.81 66.2,389.61 arc-45 65.91,388.91 v65,388
SDRAM_DQML9  (via drill 0.3)
  Top 0.15: v175.25,381.75 175.5,381.75 arc90 176.5,382.75 176.5,386.7 arc90 175.5,387.7 arc-45 174.99,387.91 174.92,387.98 arc-45 174.7,388.51 174.7,389.59 arc-45 174.92,390.12 arc-45 175.54,390.38 arc45 175.84,390.5 176.05,390.71 arc-45 176.75,391 178.83,391 178.97,390.86 arc90 180.03,390.86 180.14,390.98 189.57,390.98 arc-45 189.92,390.83 190.96,389.79 arc-45 191.25,389.09 191.25,389 arc90 192.25,388 v193,388
  Bottom 0.15: IC163.15 175.61,381.9 arc45 v175.25,381.75 | IC164.81 194.2,389.61 arc-45 193.91,388.91 v193,388